# KiCad board GSTrackerOrderFile.kicad_pcb (continued)
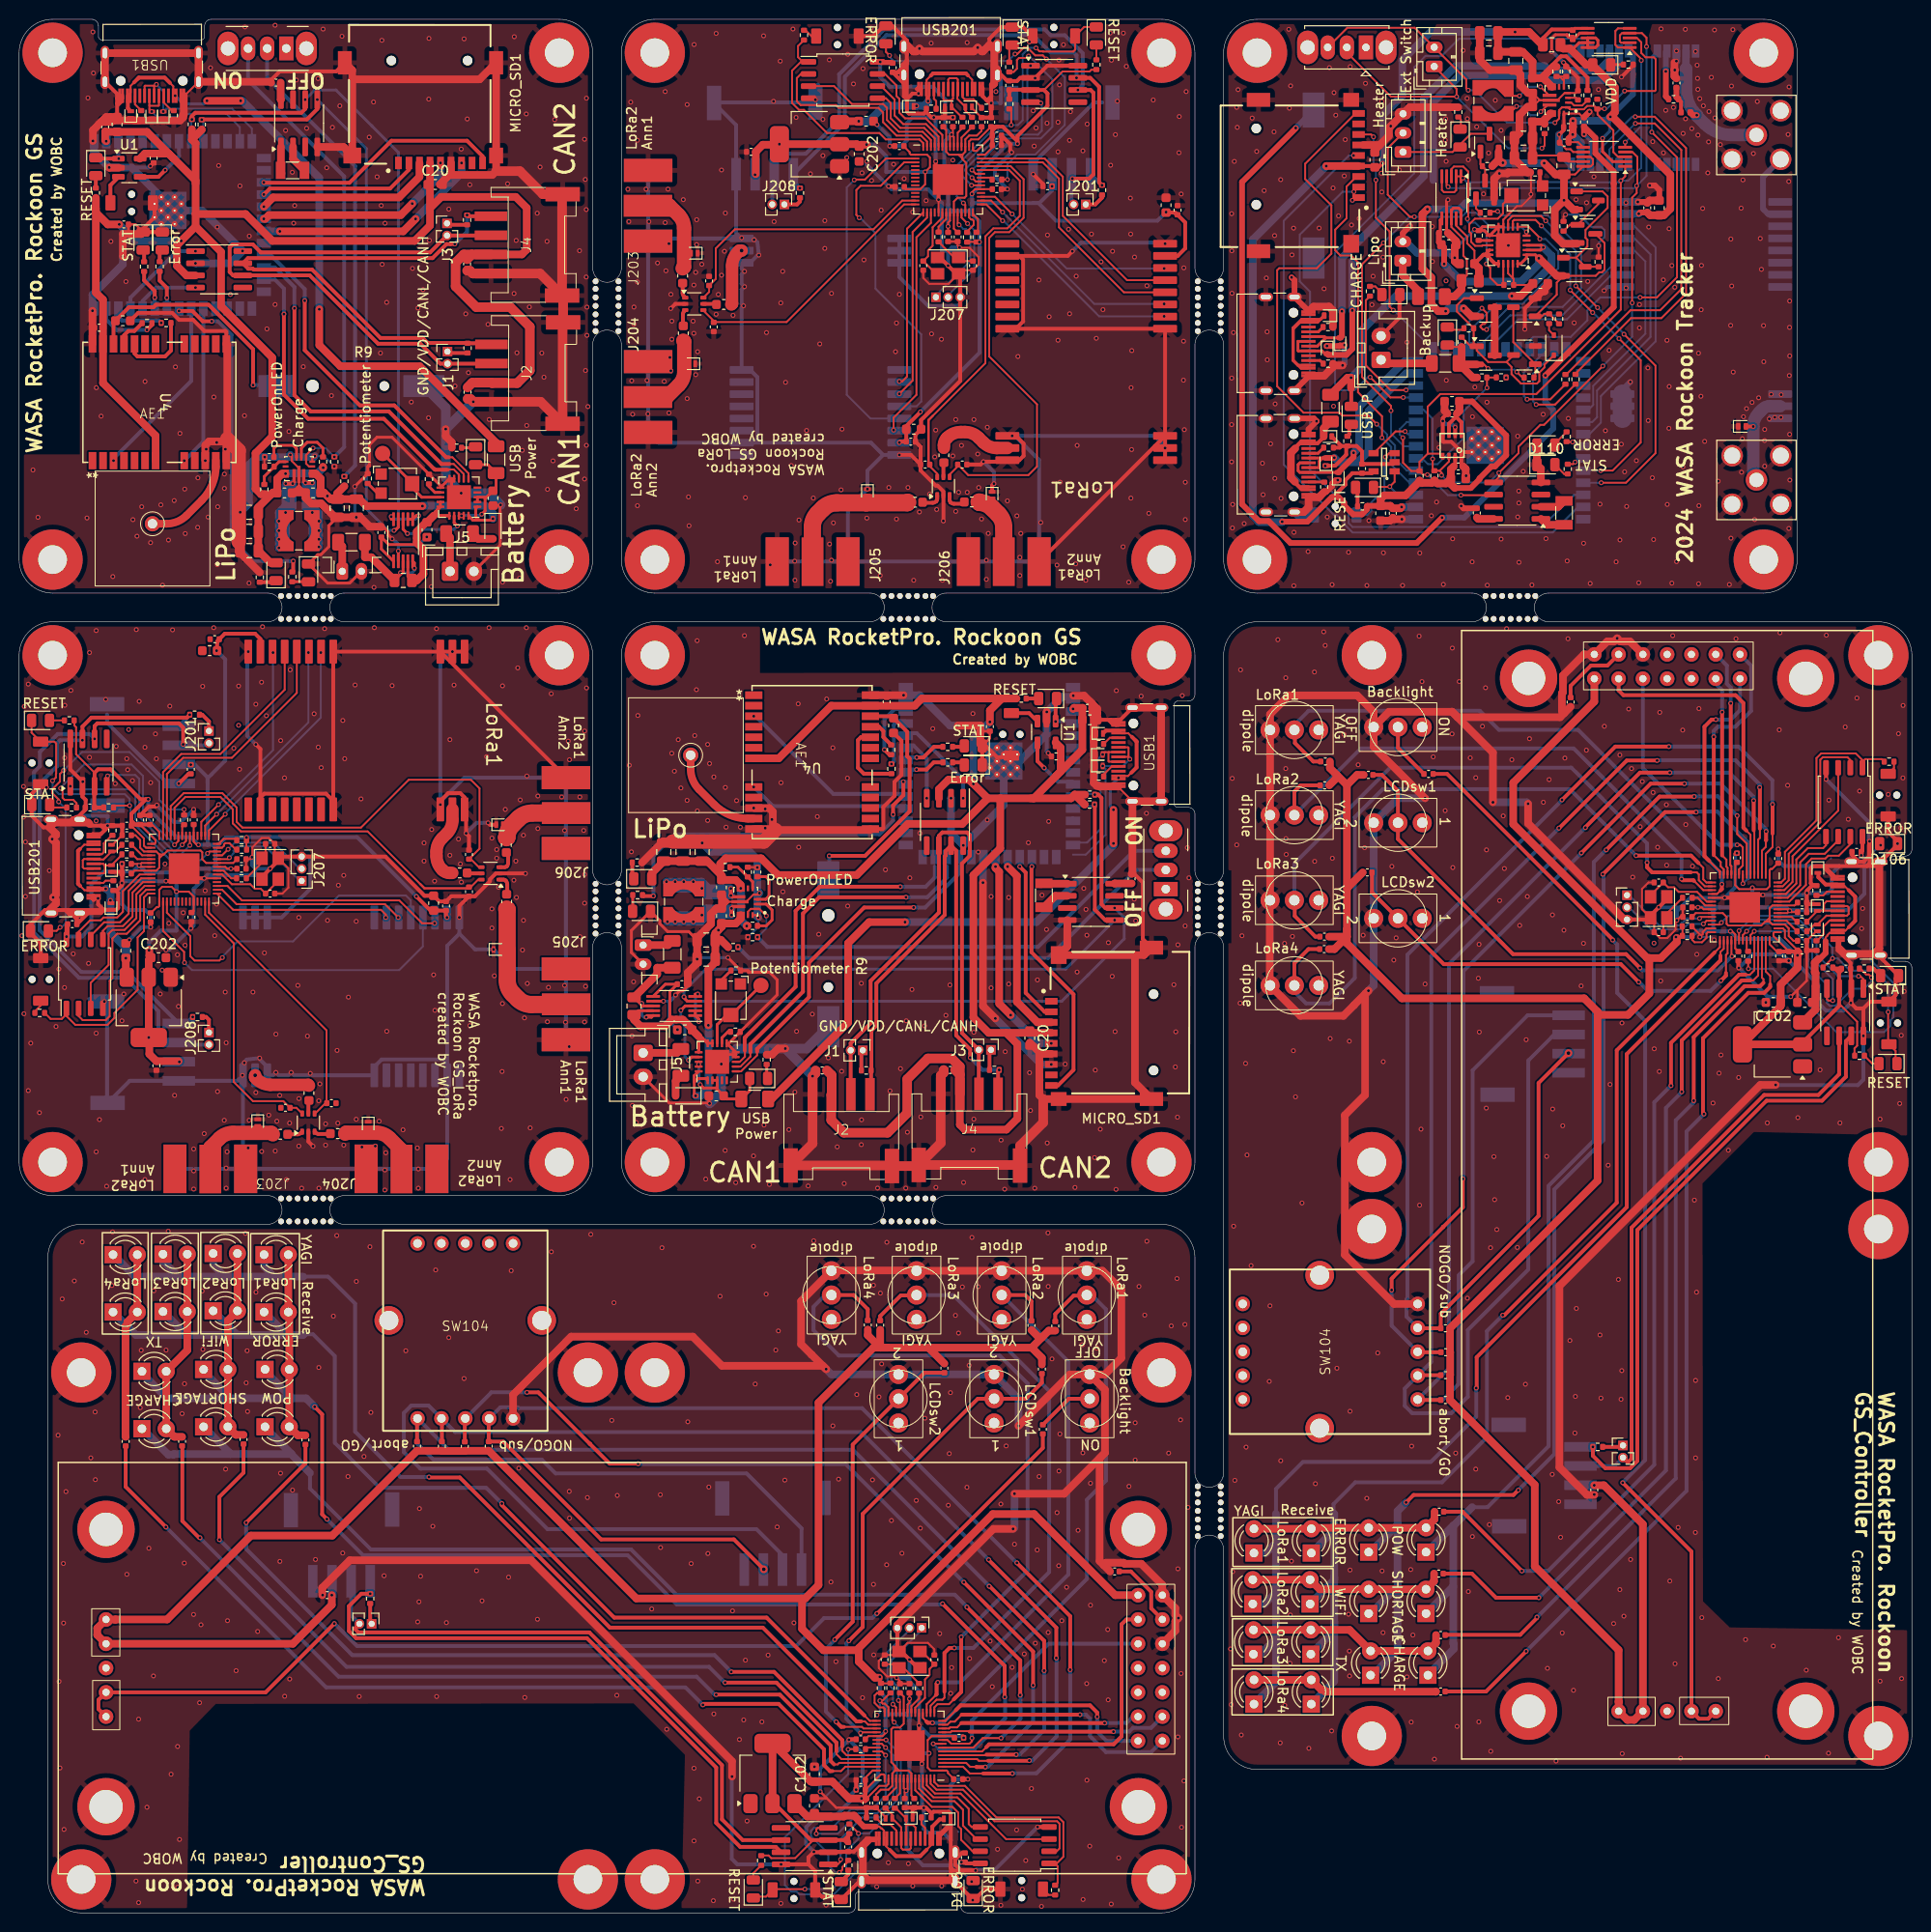
[diagram p0: board, top side]
## Routing (per net, layer and track width the routed paths; a pad name or vN(x,y) marks a point on that pad's centre or on a via; arc(x,y) is an arc through that point) (continued)
  Top w0.25: C101#3.2 186.02,96.38 185.96,96.44 ; USB101.B1 190.23,108.15 188.92,109.46 ; C3.1 11.43,175.59 11.48,175.55 ; C3.1 12.17,176.55 D6.1 ; C3.1 11.43,176.51 11.38,176.45 ; C101.2 84.38,11.97 84.44,12.04 ; 185.96,96.44 187,97.47 C111.1 ; 185.96,96.44 185.33,95.8 ; 83.8,12.68 84.44,12.04 ; 84.44,12.04 85.47,11 C111#3.1 ; 96.08,7.77 96.15,7.77 97.46,9.08 ; D6#2.1 101.55,122.82 C3#2.1 ; C3#2.1 100.59,123.56 100.55,123.53 ; C3#2.1 101.51,123.56 101.45,123.62 ; C4#2.1 113.85,124.75 114.42,124.18 USB1.B1 ; C4.1 10.25,188.85 10.83,189.43 USB1#2.B1
  Top w0.3: R118.2 153.09,176.31 U107.10 ; R118.2 153.29,175.9 U107.11 U107.10 ; R118.2 152.55,176.03 v1(152.25,176.03) ; v1(39.67,142.4) U7#2.7 ; v1(39.02,143.68) 38.59,144.11 38.59,144.43 38.2,144.81 C14.2 ; v1(46.25,148.45) 46.01,148.21 U5.21 45.25,148.79 45.25,149.96 ; v1(68.67,95.97) 69.11,96.41 69.42,96.41 69.81,96.8 C14#2.2 ; C9#2.2 72.15,84.71 v1(72.23,84.63) 72.17,84.68 68.02,84.68 J5.2 ; 134.88,161.52 134.1,161.52 133.27,162.34 133.27,165.74 134.16,166.62 134.88,166.62 136.13,166.62 136.52,167.01 135.83,166.32 134.88,166.32 133.98,166.32 133.27,165.62 133.27,162.32 133.77,161.82 134.88,161.82 ; C9.2 50.29,147.15 v1(50.37,147.22) 50.32,147.18 50.32,143.02 J5#2.2 ; C12#2.2 v1(68.88,92.35) ; 44.17,149.12 U5.11 ; 44.17,149.12 U5.10 45.25,149.96 ; 44.17,149.12 44.17,149.13 R14#2.2 39,154.3 37.44,154.3 36.65,153.51 36.65,151.28 36.58,151.36 36.47,151.25 R13#2.2 36.46,150.49 v1(35.12,149.15) ; C12.2 v1(42.64,143.88) ; v1(67.4,95.33) U7.7 ; 45.25,149.96 U5.9 ; C110.1 161.6,186.75 U110.15 ; v1(73.45,88.75) 73.21,88.99 U5#2.21 73.79,89.75 74.96,89.75 ; v1(74.15,99.88) 75.49,98.54 R13.2 76.25,98.53 76.36,98.42 76.28,98.35 78.51,98.35 79.3,97.56 79.3,96 R14.2 74.13,90.83 74.12,90.83 ; 74.96,89.75 U5#2.10 74.12,90.83 ; 74.96,89.75 U5#2.9 ; U107.10 U107.9 ; 161.96,196.33 161.91,196.38 160.71,196.38 160.32,195.99 v1(160.32,194.61) ; 74.12,90.83 U5#2.11 ; 149.48,175.69 149.33,175.84 U109.7 149.33,178.99 v1(149.47,179.13) ; J6#2.2 34.58,139.05 32.27,139.05 LED2.1 31.25,142.02 31.57,142.02 32.39,142.85 32.39,145.05 C11#2.2 ; C11.2 70.05,102.6 67.85,102.6 67.02,103.43 67.02,103.75 LED2#2.1 64.05,102.72 64.05,100.42 J6.2 ; C118#2.2 150.43,172.44 ; 134.92,162.32 136.09,162.32 136.42,161.99 ; 162.57,196.17 162.87,196.17 163.25,196.55 U111.7
  Top w0.4: 92.4,192.41 92.4,193.23 92.86,193.69 ; v1(179.9,98.8) 179.85,98.85 C113#3.2 ; 7.22,114 7.03,114.19 6.09,114.19 ; 88.82,7.59 89,7.77 89.92,7.77 ; 88.82,7.59 88.63,7.78 ; 88.82,7.59 88.5,7.59 87.33,6.41 C103.1 86.7,6.38 84.75,6.38 ; 88.82,7.59 89.49,7.59 USB101#2.A1 ; U203#2.20 v1(44.06,115.88) 44.06,116.27 44.87,117.08 46.15,117.08 46.6,116.63 U203#2.22 46.76,115.22 v1(46.76,112.88) 47.06,112.58 C214.2 ; 97.46,9.08 97.17,9.08 96.24,8.15 ; 97.46,9.08 97.46,4.72 ; 97.46,9.08 97.44,9.1 97.44,10.38 97.24,10.58 95.66,10.58 95.47,10.39 ; 29.97,148.53 29.87,148.53 29.27,149.12 28.67,148.53 ; USB201.S1 92.25,192.46 C219#2.1 ; USB201.S1 92.55,193.03 92.86,193.34 ; USB201.S1 92.55,189.95 92.86,189.64 ; 98.72,18.48 98.8,18.4 v1(98.8,18.3) ; U203#2.1 v1(45.33,131.88) U203#2.3 ; 82.57,5.08 82.57,5.07 79.67,5.07 79.66,5.08 ; 82.57,5.08 83.27,4.37 SW101#2.2 83.98,1.69 85.71,1.69 D105#3.1 88.01,3.41 88.82,3.41 ; 82.57,5.08 82.57,5.81 v1(83.14,6.38) 83.18,6.34 84.61,6.34 84.65,6.38 ; 114.73,124.75 114.2,124.75 ; 114.73,124.75 USB1.A12 ; 114.73,124.75 115.2,124.75 USB1.S1 ; 114.2,124.75 114.73,124.22 115,124.22 ; 114.2,124.75 C4#2.1 112.77,125.45 ; C123.2 163.07,191.87 161.9,193.04 R135.1 161.84,193.2 v1(161.56,193.48) ; 7.36,104.55 7.21,104.55 C219.1 ; 4.81,104.86 5.27,104.4 6.09,104.4 ; 4.81,104.86 4.76,104.86 ; 4.81,104.86 5.08,104.86 6.04,103.9 C219.1 ; 3.09,104.4 3.09,104.48 2.71,104.86 ; 91.09,180.54 v1(90.94,180.54) 91.48,180.54 91.62,180.4 ; 92.86,193.74 92.86,193.69 ; 92.86,193.74 92.86,193.34 ; 92.86,193.74 92.86,194.36 ; 92.86,193.69 92.86,193.42 91.9,192.46 C219#2.1 ; 92.86,193.34 92.86,189.64 ; 92.86,189.64 93.46,190.24 v1(94.08,190.24) 94.08,190.86 93.92,190.71 94.33,190.71 94.33,190.82 ; 92.86,189.64 92.88,189.62 92.88,188.34 93.08,188.14 94.66,188.14 94.85,188.33 95.44,187.74 v1(95.68,187.74) 95.7,187.72 C222.2 ; 101.21,189.54 101.69,189.06 R204#2.2 ; 101.21,189.54 101.29,189.54 101.69,189.94 ; 101.21,189.54 100.79,189.96 100.79,190.8 100.64,190.95 ; v1(179.7,110.81) 179.6,110.81 179.52,110.72 ; 102,191.28 102.19,191.47 102.19,192.41 ; C113#2.2 86.85,18.15 v1(86.8,18.1) ; 5.16,104.86 5.47,104.55 USB201#2.S1 ; 5.16,104.86 8.86,104.86 ; 5.16,104.86 4.76,104.86 ; C21#2.1 26.4,191.68 27.27,192.55 33.17,192.55 MICRO_SD1#2.MP3 ; USB201#2.S1 6.04,104.25 C219.1 ; USB201#2.S1 8.55,104.55 8.86,104.86 ; v1(11.52,101.74) C201.2 ; R113#3.2 139.92,153.38 140.48,152.82 C112#3.1 143.71,151.5 U105.2 ; R113#3.2 138.31,153.38 ; R113#3.2 138.83,153.26 138.83,152.48 137.68,151.33 v1(136.63,151.29) D107#3.1 ; v1(15.36,107.88) 15.96,107.88 U206.57 18.26,108.18 v1(19.36,108.18) ; SW202#2.1 2.26,101.38 1.18,102.46 1.18,103.34 2.71,104.86 ; C104.1 98.62,6.26 97.92,5.57 97.92,5.03 98.49,4.47 100.05,4.47 v1(100.05,4.42) 97.75,4.42 97.46,4.72 ; 192.92,91.66 192.93,91.67 192.93,94.56 192.92,94.57 ; v1(157.51,165.59) 157.51,167.76 Q102.2 ; Y101#2.2 172.37,106.22 ; Y101#2.2 172,106.61 ; Y101#2.2 172.37,105.99 v1(171.52,105.14) 170.67,104.29 Y101#2.4 170.5,103.87 168.42,103.87 ; 18.1,103.62 17.96,103.48 v1(17.96,102.94) 17.96,103.09 ; R138.2 168.85,193.19 v1(167.62,191.96) ; v1(182.42,106.44) 181.82,106.44 U104#2.57 179.52,106.14 v1(178.42,106.14) ; Y201#2.2 96.1,173.09 ; Y201#2.2 96.33,173.09 v1(97.18,172.24) 98.03,171.39 Y201#2.4 98.45,171.23 98.45,168.94 98.45,168.93 ; Y201#2.2 95.71,172.72 ; 92.86,195.79 91.34,197.32 90.46,197.32 89.38,196.24 SW202.1 ; 92.86,195.79 92.86,194.36 ; 92.86,195.79 92.48,195.41 92.4,195.41 ; 10.25,189.2 C4.1 9.55,187.78 ; 10.25,189.2 10.25,189.73 ; 10.25,189.2 10.77,189.72 10.77,190 ; D105.1 138.31,153.38 ; 138.31,153.38 138.14,153.21 R106.2 ; SW1#2.2 14.16,178.64 U3#2.41 12.61,175.75 D6.1 D5#2.1 ; v1(89.74,186.98) C201#2.2 ; 193.28,109.46 194.59,109.46 194.59,109.77 196.3,111.48 196.3,112.25 195.52,113.04 SW102#3.1 ; 193.28,109.46 188.92,109.46 ; 193.28,109.46 193.58,109.75 v1(193.58,112.05) 193.53,112.05 193.53,110.49 192.97,109.93 192.43,109.93 191.74,110.62 C104#3.1 ; 192.92,94.57 192.19,94.57 v1(191.62,95.14) 191.66,95.18 191.66,96.61 191.62,96.65 ; 192.92,94.57 193.63,95.28 SW101.2 196.3,95.98 196.3,97.71 D105#2.1 194.59,100.01 194.59,100.82 ; R204#2.2 v1(101.69,189.24) 101.69,189.94 ; R204#2.2 101.68,188.73 C226#2.1 C224.1 ; 92.86,194.36 92.85,194.36 ; 8.56,113.69 8.96,113.29 8.96,113.21 ; 8.56,113.69 v1(9.26,113.69) R204.2 ; 8.56,113.69 7.53,113.69 7.36,113.86 5.3,113.86 5.16,114 5.61,114.46 6.04,114.46 6.92,115.34 C218#2.1 6.96,115.62 6.96,116.38 6.62,116.72 U204.2 v1(6.66,118.28) 6.62,118.29 5.35,119.56 U204.8 ; R103.2 188.01,100.64 C111.1 C109#2.1 ; C21.1 116.68,108.6 117.55,107.73 117.55,101.82 MICRO_SD1.MP3 ; C219#2.1 92.55,191.29 92.55,191.14 ; v1(24.76,122.18) 25.24,121.7 U203#2.13 25.24,116.63 25.64,117.03 32.1,117.03 32.86,116.27 U203#2.19 U203#2.4 U203#2.3 ; 4.76,104.86 4.14,104.86 ; 8.86,104.86 8.88,104.88 10.16,104.88 10.36,105.08 10.36,106.66 10.17,106.85 10.76,107.44 v1(10.76,107.68) 10.78,107.7 C222#2.2 ; 8.86,104.86 8.26,105.46 v1(8.26,106.08) 7.64,106.08 7.79,105.93 7.79,106.33 7.68,106.33 ; R103#3.2 88.64,9.99 C111#3.1 C109.1 ; J206#2.2 57.2,118.74 U203#2.3 ; Y201.2 25.41,108.1 ; Y201.2 25.41,108.33 v1(26.26,109.18) 27.11,110.03 Y201.4 27.27,110.44 29.56,110.44 29.57,110.45 ; Y201.2 25.78,107.71 ; C107.2 C112#2.2 ; C107.2 93.47,10.83 D103#3.1 ; C107.2 94.62,11 v1(94.64,10.98) 94.88,10.98 95.47,10.39 ; U4.13 21.67,165.3 21.57,165.41 19.37,165.41 18.21,166.57 16.74,166.57 16.01,167.3 12.45,167.3 C1#2.1 ; 73.52,105.03 73.52,105.13 74.12,105.73 73.52,106.33 ; C231#2.2 C225#2.2 103.68,184.92 103.68,184.24 v1(103.83,184.09) ; 101.69,189.94 101.69,190.97 101.86,191.14 101.86,193.2 102,193.34 102.46,192.89 102.46,192.46 103.34,191.58 C218.1 103.62,191.54 104.38,191.54 104.72,191.88 U204#2.2 v1(106.28,191.84) 106.29,191.88 107.56,193.15 U204#2.8 ; v1(101.98,149.44) 101.78,149.24 D204#2.1 ; 2.26,117.96 1.32,117.02 1.32,114.72 2.54,113.5 3.18,113.5 3.09,113.59 3.09,114.19 ; 111.12,127.28 112.23,126.17 C5#2.2 ; 142.46,164.87 144.4,166.81 144.4,169.11 144.1,169.42 ; U203.3 v1(119.88,153.17) U203.1 ; U203.3 106.74,141.3 J206.2 ; U203.3 U203.4 U203.19 104.27,165.64 105.03,166.4 105.03,172.86 104.63,173.26 U203.13 109.7,173.26 v1(110.18,173.74) ; C228#2.2 v1(103.38,180.24) ; v1(150.23,155.34) U101#2.7 ; 2.71,104.86 4.14,104.86 ; 97.46,4.72 97.46,3.41 97.77,3.41 99.48,1.69 100.25,1.69 101.04,2.48 SW102.1 ; R204.2 9.77,113.68 C226.1 C224#2.1 ; R204.2 9.44,113.69 8.96,113.21 ; v1(92.08,152.45) 93.29,152.45 C213.2 ; USB1#2.S1 10.25,190.19 10.25,189.73 ; C222#2.2 v1(10.76,109.68) C227.2 ; C222#2.2 10.61,108.85 D207#2.1 ; Y101.2 94.22,25.63 ; Y101.2 93.99,25.63 v1(93.14,26.48) 92.29,27.33 Y101.4 91.87,27.5 91.87,29.58 ; Y101.2 94.61,26 ; 95.47,10.39 95.41,10.33 R104#2.2 ; J207.3 38.31,110.44 42.4,106.35 C209#2.2 43.95,105.76 C210#2.2 45.2,106.3 47.68,106.3 49.26,107.88 49.26,108.07 49.88,108.69 Switch202#2.2 52.95,108.69 v1(52.96,108.68) ; v1(106.54,8.98) U103#2.4 ; C227#2.2 v1(97.68,187.74) C222.2 ; 141.92,183.9 141.82,184 141.82,184.07 ; J207#2.3 98.45,160.19 94.36,156.1 C209.2 93.76,154.55 C210.2 94.3,153.3 94.3,150.82 95.88,149.24 96.07,149.24 96.69,148.62 Switch202.2 96.69,145.55 v1(96.68,145.54) ; U106.41 151.01,152.75 150.88,152.61 ; USB101.A1 190.41,101.49 190.41,100.82 ; 10.25,189.73 USB1#2.A12 ; C1.1 92.3,122.55 92.3,118.99 91.57,118.26 91.57,116.79 90.41,115.63 90.41,113.43 90.3,113.32 U4#2.13 ; 190.41,100.82 190.22,100.63 ; 190.41,100.82 190.23,101 190.23,101.93 ; 190.41,100.82 190.41,100.5 191.59,99.33 C103#2.1 191.62,98.7 191.62,96.75 ; C232.2 v1(91.08,184.74) ; C231.2 C225.2 13.58,115.68 14.26,115.68 v1(14.41,115.83) ; Switch201.2 68.65,168.24 v1(68.16,167.76) ; C214#2.2 100.58,151.44 v1(100.88,151.74) 103.22,151.74 U203.22 104.63,151.9 105.08,152.35 105.08,153.63 104.27,154.44 v1(103.88,154.44) U203.20 ; 187.61,107.47 187.42,107.66 187.42,109.24 187.62,109.44 188.9,109.44 188.92,109.46 ; 187.61,107.47 187.02,106.88 v1(187.02,106.64) 187,106.62 C107#2.2 ; 187.61,107.47 187.67,107.41 R104.2 ; v1(96.18,179.14) 96.18,180.24 U206#2.57 95.88,182.54 v1(95.88,183.14) ; v1(161.1,185.94) 161.57,186.41 C110.1 ; C107#2.2 C112.2 ; C107#2.2 187.17,105.47 D103.1 ; 149.57,156.63 C102#3.2 148.93,156.31 v1(148.93,155.99) 148.92,155.99 U101#2.5 148.92,153.89 149,153.81 149.83,153.81 150.88,152.76 150.88,152.61 ; v1(189.02,118.54) U103.4 ; Switch201#2.2 30.26,80.65 v1(30.74,80.16) ; C222.2 96.85,187.89 D207.1 ; C117#3.2 v1(99.24,13.98) ; 8.96,113.21 8.54,112.79 7.7,112.79 7.55,112.65 ; C117.2 v1(184.02,111.24) ; SW1.2 103.64,120.84 102.3,120.84 100.75,122.39 D6#2.1 D5.1 ; C213#2.2 46.05,105.29 v1(46.05,104.08) ; 102.19,195.41 101.6,195.41 101.5,195.32 101.5,195.96 102.72,197.18 105.02,197.18 105.96,196.24 ; C103#3.2 150.88,151.39 U101#2.1 150.88,152.61 ; 189.85,108.24 188.92,109.17 188.92,109.46 ; C232#2.2 v1(13.76,103.08) ; C116.2 v1(185.12,99.56) ; v1(107.65,121.28) 107.99,120.94 C2.1 ; v1(13.73,182.65) 14.07,182.99 C2#2.1 ; D204.1 49.26,113.78 v1(49.06,113.98) ; v1(94.14,19.58) 94.14,18.48 U104.57 94.44,16.18 v1(94.44,15.58) ; 7.73,186.12 8.83,187.22 9,187.22 ; v1(106.08,181.8) 107.1,180.78 C203#2.1 ; 161.96,196.33 162.12,196.17 162.57,196.17 ; C116#3.2 v1(87.56,12.88) ; 4.14,104.86 4.14,104.85 ; C228.2 v1(18.26,115.38)
  Top w0.6: 134.89,154.72 134.89,155.13 135.73,155.97 135.43,156.26 USB102.S1 ; 133.11,171.01 133.41,170.7 USB101#3.S1 134.88,167.5 134.88,167.42 ; C107#3.2 171.58,180.16 171.12,180.62 v1(170.58,180.62) ; 144.75,174.74 144.75,175.64 v1(145.51,176.4) ; 134.88,160.72 134.88,160.63 USB101#3.S1 ; 136.53,148.58 136.73,148.58 137.35,149.2 137.35,149.43 137.7,149.78 137.9,149.78 v1(137.94,149.82) 137.98,149.78 137.99,149.78 ; C111#2.1 163.7,187.76 v1(164.28,188.33) 163.93,187.99 ; v1(169.33,178.9) 170.18,178.9 C108#2.2 ; C106#3.1 151.1,146.86 v1(150.85,147.11) ; 136.83,163.82 v1(136.81,163.84) 138.1,163.82 138.17,163.89 138.61,163.89 v1(138.66,163.94)
  Top w0.8: SW104.1 51.67,54.18 57.75,60.25 70.48,60.25 73.52,57.2 84.08,57.2 v1(84.42,56.85) 82.91,58.37 82.9,58.37 81.8,59.47 81.8,63.97 85.01,67.18 93.85,67.18 SW105.3 113.34,67.14 115.3,65.18 115.3,58.03 113.58,56.3 SW103.3 ; 137.44,161.65 137.44,161.99 ; 137.44,161.65 136.51,160.72 134.88,160.72 ; 137.44,161.65 137.6,161.81 v1(138.45,161.81) ; 149.9,125.59 143.3,125.59 SW103#2.3 ; 149.9,125.59 150.47,125.03 161.21,125.03 161.63,125.45 ; 149.9,125.59 154.17,121.31 v1(154.17,116.12) ; v1(7.67,167.53) U4.24 ; v1(76.85,115.53) 78.46,115.53 78.85,115.13 78.85,113.22 ; 45.18,181.9 MICRO_SD1#2.6 ; 45.18,181.9 44,180.72 ; 45.18,181.9 45.36,181.73 49.5,181.73 49.9,182.12 MICRO_SD1#2.MP1 MICRO_SD1#2.MP2 48.17,191.72 34.85,191.72 ; 34.85,191.72 MICRO_SD1#2.MP4 33.95,184.65 31.2,184.65 ; 34.85,191.72 34.85,192.68 MICRO_SD1#2.MP3 ; 92.86,195.32 93.53,194.64 93.88,194.64 v1(94.18,194.94) 94.48,194.64 99.88,194.64 v1(100.28,195.04) 100.68,194.64 100.83,194.64 101.5,195.32 102,194.81 102,191.28 101.86,191.14 ; 112.01,126.66 112.27,126.41 112.27,125.96 112.77,125.45 112.41,125.09 ; 112.01,126.66 111.4,127.28 v1(110.27,127.28) ; 112.01,126.66 112.77,125.9 C4#2.1 ; v1(10.85,173.2) 10.85,175.55 12.77,175.55 D6.1 ; 9,187.27 9.64,187.27 9.79,187.42 9.91,187.42 ; 97.46,3.41 88.82,3.41 88.27,3.95 88.27,7.04 88.82,7.59 ; 26.36,191.38 26.27,191.47 USB1#2.S1 USB1#2.S1 USB1#2.S1 USB1#2.S1 ; 37.87,144.95 36.67,144.95 35.7,145.93 v1(35.27,145.93) C11#2.2 33.04,145.93 31.6,147.38 30.54,147.38 29.97,147.95 29.97,148.53 28.7,148.53 ; 141.82,184.07 141.82,184.34 142.34,184.86 ; SW103#2.3 141.7,125.57 139.98,127.3 132.83,127.3 130.86,125.34 SW105#2.3 130.83,105.84 130.83,97.01 134.03,93.8 138.53,93.8 139.63,94.9 139.63,94.91 v1(141.15,96.43) 140.8,96.07 140.8,85.53 138.68,83.41 138.68,68.82 143.82,63.68 SW104#2.1 ; SW103#2.3 141.7,121.93 v1(147.08,116.55) ; v1(7.73,185.28) 7.73,186.4 8.34,187.01 ; 150.43,172.44 150.18,172.69 v1(150.18,173.06) 150.18,174.28 C117#2.2 150.33,174.79 149.45,175.66 ; v1(103.98,40.15) 101.92,40.15 91.87,30.09 91.87,29.58 ; 9.91,187.42 9.55,187.78 9.04,187.27 8.59,187.27 8.34,187.01 ; 9.91,187.42 12.05,187.42 ; v1(104.12,43.82) 109.32,43.82 113.59,48.1 ; 173.16,193.47 173.16,192.73 v1(173.2,192.69) 173.16,192.65 173.16,192.29 ; v1(92.52,127.32) U4#2.24 ; v1(19.48,151.85) 19.48,153.46 19.87,153.85 21.77,153.85 ; 7.36,113.86 7.22,114 3.69,114 3.18,113.5 3.86,112.82 3.86,112.68 v1(3.46,112.28) 3.86,111.88 3.86,106.48 v1(3.56,106.18) 3.86,105.88 3.86,105.53 3.18,104.86 ; 31.71,33.22 31.71,33.99 34.6,36.88 53.55,36.88 74.58,15.85 v1(74.58,14.25) ; 116.73,100.15 116.73,86.83 MICRO_SD1.MP2 MICRO_SD1.MP1 107.12,85.1 106.73,85.5 106.73,89.64 106.9,89.82 ; 116.73,100.15 117.67,100.15 MICRO_SD1.MP3 ; 116.73,100.15 MICRO_SD1.MP4 109.65,101.05 U8#2.4 ; U4#2.12 78.75,113.32 78.85,113.22 ; v1(44.62,155.15) 44.62,154.4 45.26,153.76 R12#2.2 ; R115.2 157.81,181.99 ; 157.81,181.99 156.42,183.38 C119.2 C120.2 156.95,186.1 156.95,187.99 157.8,188.84 C122.2 158.32,190.3 157.85,190.3 157.06,191.08 157.06,192.2 C125.2 153.85,192.69 152.79,193.75 C126.2 152.79,196.67 ; 157.81,181.99 155.79,181.99 155.68,181.88 v1(154.85,181.88) 154.3,181.33 Q108.2 ; C101#2.2 151.33,150.22 v1(151.37,150.27) 151.33,150.31 151.33,150.99 151.07,151.24 ; 161.63,125.45 161.39,125.69 161.39,127.53 161.5,127.64 161.5,129.39 163.7,131.59 lcd101.1 166.14,132.95 166.85,132.95 v1(167.17,133.28) 167.5,132.95 168.5,132.95 lcd101.5 ; 161.63,125.45 R114#3.1 ; v1(104.55,50.93) 109.92,56.3 SW103.3 ; 142.34,184.86 143.29,185.81 143.29,186.64 v1(143.48,186.83) J104.3 145.45,188.8 R129#3.1 ; 142.34,184.86 140.64,184.86 ; SW103.3 113.59,54.7 113.59,48.1 ; 69.95,97.13 69.95,98.32 70.92,99.3 v1(70.92,99.73) C11.2 70.92,101.96 72.38,103.41 72.38,104.46 72.95,105.03 73.52,105.03 73.52,106.31 ; 8.34,187.01 9.1,187.78 C4.1 ; 106.9,89.82 MICRO_SD1.6 ; 106.9,89.82 105.73,91 ; 142.43,145.57 143.4,145.57 C114#2.2 143.85,145.72 v1(144.65,145.72) ; 113.45,36.37 R114.1 ; 113.45,36.37 113.69,36.61 115.53,36.61 115.64,36.5 117.39,36.5 119.59,34.3 lcd101#2.1 120.95,31.86 120.95,31.15 v1(121.27,30.82) 120.95,30.5 120.95,29.5 lcd101#2.5 ; 113.45,36.37 113.02,36.79 113.02,47.53 113.59,48.1 ; 112.41,119.38 112.42,119.38 ; 112.41,119.38 112.41,118.16 112.73,117.84 112.97,117.84 113.04,117.78 USB1.A1 ; 112.41,119.38 112.41,122.95 ; 112.41,125.09 112.41,125.21 112.27,125.36 112.27,126 ; 112.41,125.09 112.41,122.95 ; 10.42,182.47 9.45,182.47 v1(9.42,182.5) ; USB1#2.A1 17.23,188.04 17.15,187.97 17.15,187.73 16.84,187.42 15.62,187.42 ; 190.41,100.82 190.96,100.28 194.05,100.28 194.59,100.82 194.59,109.46 ; U4.12 21.67,153.75 21.77,153.85 ; 15.62,187.42 15.62,187.43 ; 15.62,187.42 12.05,187.42 ; 21.77,153.85 21.77,163.95 U4.13 ; v1(157.85,115.97) 157.85,113.93 167.9,103.87 168.42,103.87 ; v1(107.5,125.57) 107.48,125.55 107.48,124.57 ; 22.98,143.35 22.98,142.36 R22#2.2 ; v1(98.2,124.15) 100.55,124.15 100.55,122.22 D6#2.1 ; R22.2 67.36,112.03 68.35,112.03 ; 78.85,113.22 88.95,113.22 U4#2.13 ; 170.32,178.8 170.57,179.06 C107#3.2 ; v1(102.12,93.53) 100.83,94.82 v1(100.83,107.72) ; 12.05,187.42 12.52,187.42 ; v1(183.75,86.57) 182.15,86.57 161.12,65.55 161.12,46.59 164.01,43.71 164.77,43.71 ; 134.88,167.42 135.41,167.96 137.02,167.96 137.43,167.55 R101#2.2 ; 112.41,122.95 112.41,122.47 ; v1(80.15,90.38) 79.4,90.38 78.76,89.74 78.2,89.74 ; Q102.2 159.29,169.55 159.58,169.55 159.58,169.83 159.91,170.17 C115#3.2 ; 173.16,192.25 173.16,192.03 C109#3.2 ; 136.53,148.58 135.97,148.02 134.89,148.02 134.89,146.99 134.38,146.47 USB102.S1 ; D109.1 158.77,151.43 159.2,151.01 U102.4 ; C102#3.2 149.12,157.08 C104#2.2 ; 116.38,108.64 116.47,108.73 USB1.S1 USB1.S1 USB1.S1 USB1.S1
  Top w1: J4#2.MP 56.8,179.65 J4#2.MP 54.79,179.71 52.38,182.12 49.9,182.12 ; J4#2.MP 56.91,169 J2#2.MP 56.85,166.25 J2#2.MP 54.55,158 J2#2.4 v1(47.51,158) 47.21,158.31 46.91,158.31 ; J4#2.MP 54.5,171.41 J4#2.4 47.46,171.41 47.16,171.71 46.86,171.71 ; 83.3,88.09 83.3,87.79 v1(83,87.49) J2.4 83,80.45 J2.MP 91.25,78.15 J2.MP 94,78.09 J4.MP ; J4.MP 96.41,80.5 J4.4 96.41,87.54 96.71,87.84 96.71,88.14 ; J4.MP 104.65,78.2 J4.MP 104.71,80.21 107.12,82.62 107.12,85.1
  Top w1.5: 22.98,143.35 22.98,152.91 21.77,154.11 ; 68.35,112.03 77.91,112.03 79.11,113.22
  Bottom w0.2: v1(32.98,151.25) 31.9,152.33 v1(30.93,152.33) 30.81,152.21 ; v1(165.23,174.31) 165.23,174.61 165.83,175.21 165.83,175.97 165.51,176.29 164.47,176.29 163.19,177.57 v1(161.76,177.57) ; v1(142.02,155.67) 143.11,154.57 143.11,154.27 143.93,153.45 143.93,152.05 145.16,150.81 146.12,150.81 ; 45.8,104.64 45.8,104.78 ; v1(177.32,101.74) 177.02,102.04 v1(175.82,102.04) ; v1(76.25,102.03) 77.33,103.1 v1(77.33,104.07) 77.21,104.19 ; 92.64,152.7 92.78,152.7
  Bottom w0.25: 99.08,173.8 98.72,173.8 v1(98.38,174.14) 98.04,173.8 97.81,173.8 99.08,173.8 ; 24.7,110.72 v1(24.36,110.38) 24.7,110.04 24.7,109.81 24.7,111.08 24.7,110.72
  Bottom w0.3: 39.4,143.4 39.33,143.4 39.05,143.68 v1(39.02,143.68) ; 39.4,143.4 39.67,143.13 v1(39.67,142.4) ; 39.4,143.4 39.8,143 41.77,143 v1(42.64,143.88) ; 68.4,95.6 68,95.2 68,93.23 v1(68.88,92.35) ; 68.4,95.6 68.4,95.68 68.67,95.95 v1(68.67,95.97) ; 68.4,95.6 68.13,95.33 v1(67.4,95.33) ; v1(152.25,176.03) 150.18,173.96 v1(150.18,173.06) ; v1(74.15,99.88) 71.08,99.88 v1(70.92,99.73) ; v1(35.12,149.15) 35.12,146.07 v1(35.27,145.93)
  Bottom w0.4: 104.18,154.44 106.7,151.92 J206.2 J206.2 J205#2.2 ; 104.18,154.44 118.78,154.44 119.88,153.34 v1(119.88,153.17) ; 104.18,154.44 v1(103.88,154.44) ; J209#2.MP 9.2,84.76 J209#2.MP 11.56,87 J209#2.4 22.84,87 23.36,87.52 v1(23.36,87.58) U202#2.22 ; U202.13 76.83,153.72 77.23,154.12 77.23,160.58 76.47,161.34 U202.19 75.58,167.84 v1(75.78,168.04) 75.58,168.24 75.58,169.74 v1(75.88,170.04) 75.58,170.34 75.58,171.34 v1(75.88,171.64) 75.58,171.94 U202.20 76.47,172.54 77.23,173.3 v1(77.38,173.34) 77.23,174.68 76.97,174.94 v1(76.88,174.94) 76.88,175.03 76.83,175.08 U202.22 ; U202.13 66.88,153.72 J204.2 65.8,156.72 v1(65.78,156.74) 65.8,156.76 65.8,160.12 v1(65.68,160.24) 65.8,160.36 J204.2 J203#2.2 ; U202.13 89.12,153.72 90.39,152.45 ; v1(119.88,174.53) 119.77,174.64 111.08,174.64 v1(110.18,173.74) ; v1(182.73,95.2) 182.9,95.38 182.9,95.8 ; 7.35,95.57 7.33,95.57 ; v1(23.97,131.88) 23.86,131.77 23.86,123.08 v1(24.76,122.18) ; v1(46.76,112.88) 47.86,113.98 v1(49.06,113.98) ; U202#2.22 23.42,88.83 23.47,88.88 v1(23.56,88.88) 23.56,88.97 23.82,89.23 v1(25.16,89.38) 25.2,89.23 25.96,88.47 U202#2.20 26.56,87.58 v1(26.86,87.88) 27.16,87.58 28.16,87.58 v1(28.46,87.88) 28.76,87.58 30.26,87.58 v1(30.46,87.78) 30.66,87.58 U202#2.19 37.16,88.47 37.92,89.23 44.38,89.23 44.78,88.83 U202#2.13 ; U202#2.22 23.42,78.08 J203.2 ; J203#2.2 65.8,176.76 v1(65.88,176.84) 65.8,176.92 65.8,180.02 v1(65.58,180.24) 65.8,180.46 J203#2.2 ; J203#2.2 66.08,175.08 U202.22 ; v1(99.24,13.98) 98.04,13.98 97.46,13.4 97.46,7.59 96.66,8.38 95.04,8.38 94.64,8.78 v1(94.64,10.98) 94.44,11.18 v1(94.44,15.58) ; v1(74.58,14.25) 74.55,14.22 74.55,5.65 75.13,5.07 v1(79.71,5.07) ; 83.8,15.1 v1(86.8,18.1) 88.24,16.66 88.24,13.56 v1(87.56,12.88) 87.02,12.35 87.02,11.77 85.04,9.78 83.15,9.78 82.34,8.98 82.34,7.18 v1(83.14,6.38) ; 83.8,15.1 83.38,15.1 v1(83.2,15.28) ; 83.8,15.1 83.8,12.68 ; v1(179.7,110.81) 179.52,110.62 179.52,107.24 v1(178.42,106.14) 174.82,106.14 173.82,105.14 ; 161.54,193.48 161.56,193.48 v1(161.56,193.48) 160.43,194.61 v1(160.32,194.61) ; U202#2.13 44.78,101.12 46.05,102.39 ; U202#2.13 44.78,78.88 J204#2.2 41.78,77.8 v1(41.76,77.78) 41.74,77.8 38.38,77.8 v1(38.26,77.68) 38.14,77.8 J204#2.2 J203.2 ; U202.22 v1(75.58,175.14) 75.52,175.14 75,175.66 J209.4 75,186.94 J209.MP 72.76,189.3 J209.MP ; v1(98.8,18.3) 98.62,18.48 95.24,18.48 v1(94.14,19.58) 94.14,23.18 93.14,24.18 ; USB201#2.S1 6.69,114.7 9.26,114.7 v1(9.26,113.69) ; 44.06,116.18 46.58,118.7 J206#2.2 J206#2.2 J205.2 ; 44.06,116.18 v1(44.06,115.88) ; 44.06,116.18 44.06,130.78 45.16,131.88 v1(45.33,131.88) ; J205.2 J205.2 ; J205.2 51.67,98.7 v1(49.63,100.74) 47.7,100.74 46.05,102.39 ; J207#2.3 98.45,168.23 98.25,168.04 95.08,168.04 92.08,171.04 U202.3 U202.2 U202.1 ; v1(107.65,121.28) 107.5,121.43 107.5,123.24 ; v1(171.52,105.14) 173.02,105.14 ; 173.02,105.14 173.82,105.14 ; 173.02,105.14 173.42,104.74 ; v1(88.68,183.14) 88.68,182.81 v1(90.94,180.54) 91.24,180.24 95.08,180.24 v1(96.18,179.14) 96.53,178.79 96.53,173.81 96.54,173.8 97.81,173.8 ; v1(15.36,100.68) 15.69,100.68 v1(17.96,102.94) 18.26,103.24 18.26,107.08 v1(19.36,108.18) 19.71,108.53 24.69,108.53 24.7,108.54 24.7,109.81 ; 93.14,24.98 93.14,24.18 ; 93.14,24.98 v1(93.14,26.48) ; 93.14,24.98 92.74,24.58 ; 93.14,24.18 92.74,24.58 ; J104#2.4 30.73,34.25 v1(31.75,33.22) ; v1(184.02,111.24) 184.02,110.04 184.6,109.46 190.41,109.46 189.62,108.66 189.62,107.04 189.22,106.64 v1(187.02,106.64) 186.82,106.44 v1(182.42,106.44) ; v1(15.36,107.88) 10.96,107.88 v1(10.76,107.68) 10.76,105.48 11.38,104.86 13.18,104.86 13.76,104.28 v1(13.76,103.08) 12.86,103.08 v1(11.52,101.74) ; v1(18.26,115.38) 16.96,114.08 16.16,114.08 v1(14.41,115.83) ; v1(106.54,8.98) 102.09,4.53 100.16,4.53 v1(100.05,4.42) ; 173.42,104.74 173.82,105.14 ; 173.42,104.74 v1(173.42,103.79) ; 92.74,24.58 v1(91.79,24.58) ; v1(26.26,109.18) 24.76,109.18 24.36,109.58 v1(24.36,110.38) ; v1(165.8,169.63) 166.18,170.01 167.82,170.01 v1(168.11,169.91) 167.62,170.01 U103#3.4 ; U202#2.1 U202#2.2 U202#2.3 27.46,104.08 30.46,107.08 30.46,110.25 30.27,110.44 J207.3 ; v1(183.75,86.57) 183.77,86.55 192.35,86.55 192.93,87.13 v1(192.93,91.71) ; J205#2.2 86.7,146.83 v1(88.74,148.87) 88.74,150.8 90.39,152.45 ; J205#2.2 J205#2.2 ; v1(95.88,183.14) 95.88,187.54 v1(95.68,187.74) 93.48,187.74 92.86,187.12 92.86,185.32 92.28,184.74 v1(91.08,184.74) 91.08,185.64 v1(89.74,186.98) ; v1(98.38,174.14) 97.58,174.14 97.18,173.74 v1(97.18,172.24) ; v1(150.23,155.34) 149.91,155.65 149.27,155.65 v1(148.93,155.99) ; v1(46.05,104.08) 46.05,102.39 ; 90.39,152.45 v1(92.08,152.45) ; v1(103.83,184.09) 102.08,182.34 102.08,181.54 v1(103.38,180.24) ; v1(191.62,95.14) 190.82,94.34 189.02,94.34 188.22,95.15 188.22,97.04 186.23,99.02 185.65,99.02 v1(185.12,99.56) 184.44,100.24 181.34,100.24 v1(179.9,98.8) 182.9,95.8 ; v1(13.73,182.65) 13.58,182.5 11.76,182.5 ; 182.9,95.8 185.33,95.8 ; v1(189.02,118.54) 193.47,114.09 193.47,112.16 v1(193.58,112.05) ; USB201.S1 102.7,191.81 102.7,189.24 v1(101.69,189.24) ; v1(164.77,43.75) 163.75,42.72 J104#3.4 ; J203.2 21.74,77.8 v1(21.66,77.88) 21.58,77.8 18.48,77.8 v1(18.26,77.58) 18.04,77.8 J203.2 ; v1(106.08,181.8) 106.08,182.94 112.44,189.3 113.3,189.3 ; v1(100.88,151.74) 101.98,150.64 v1(101.98,149.44) ; 83.57,191.15 83.57,191.17